# Altium PCB gateway.PcbDoc (part 1 of 4) (continued)
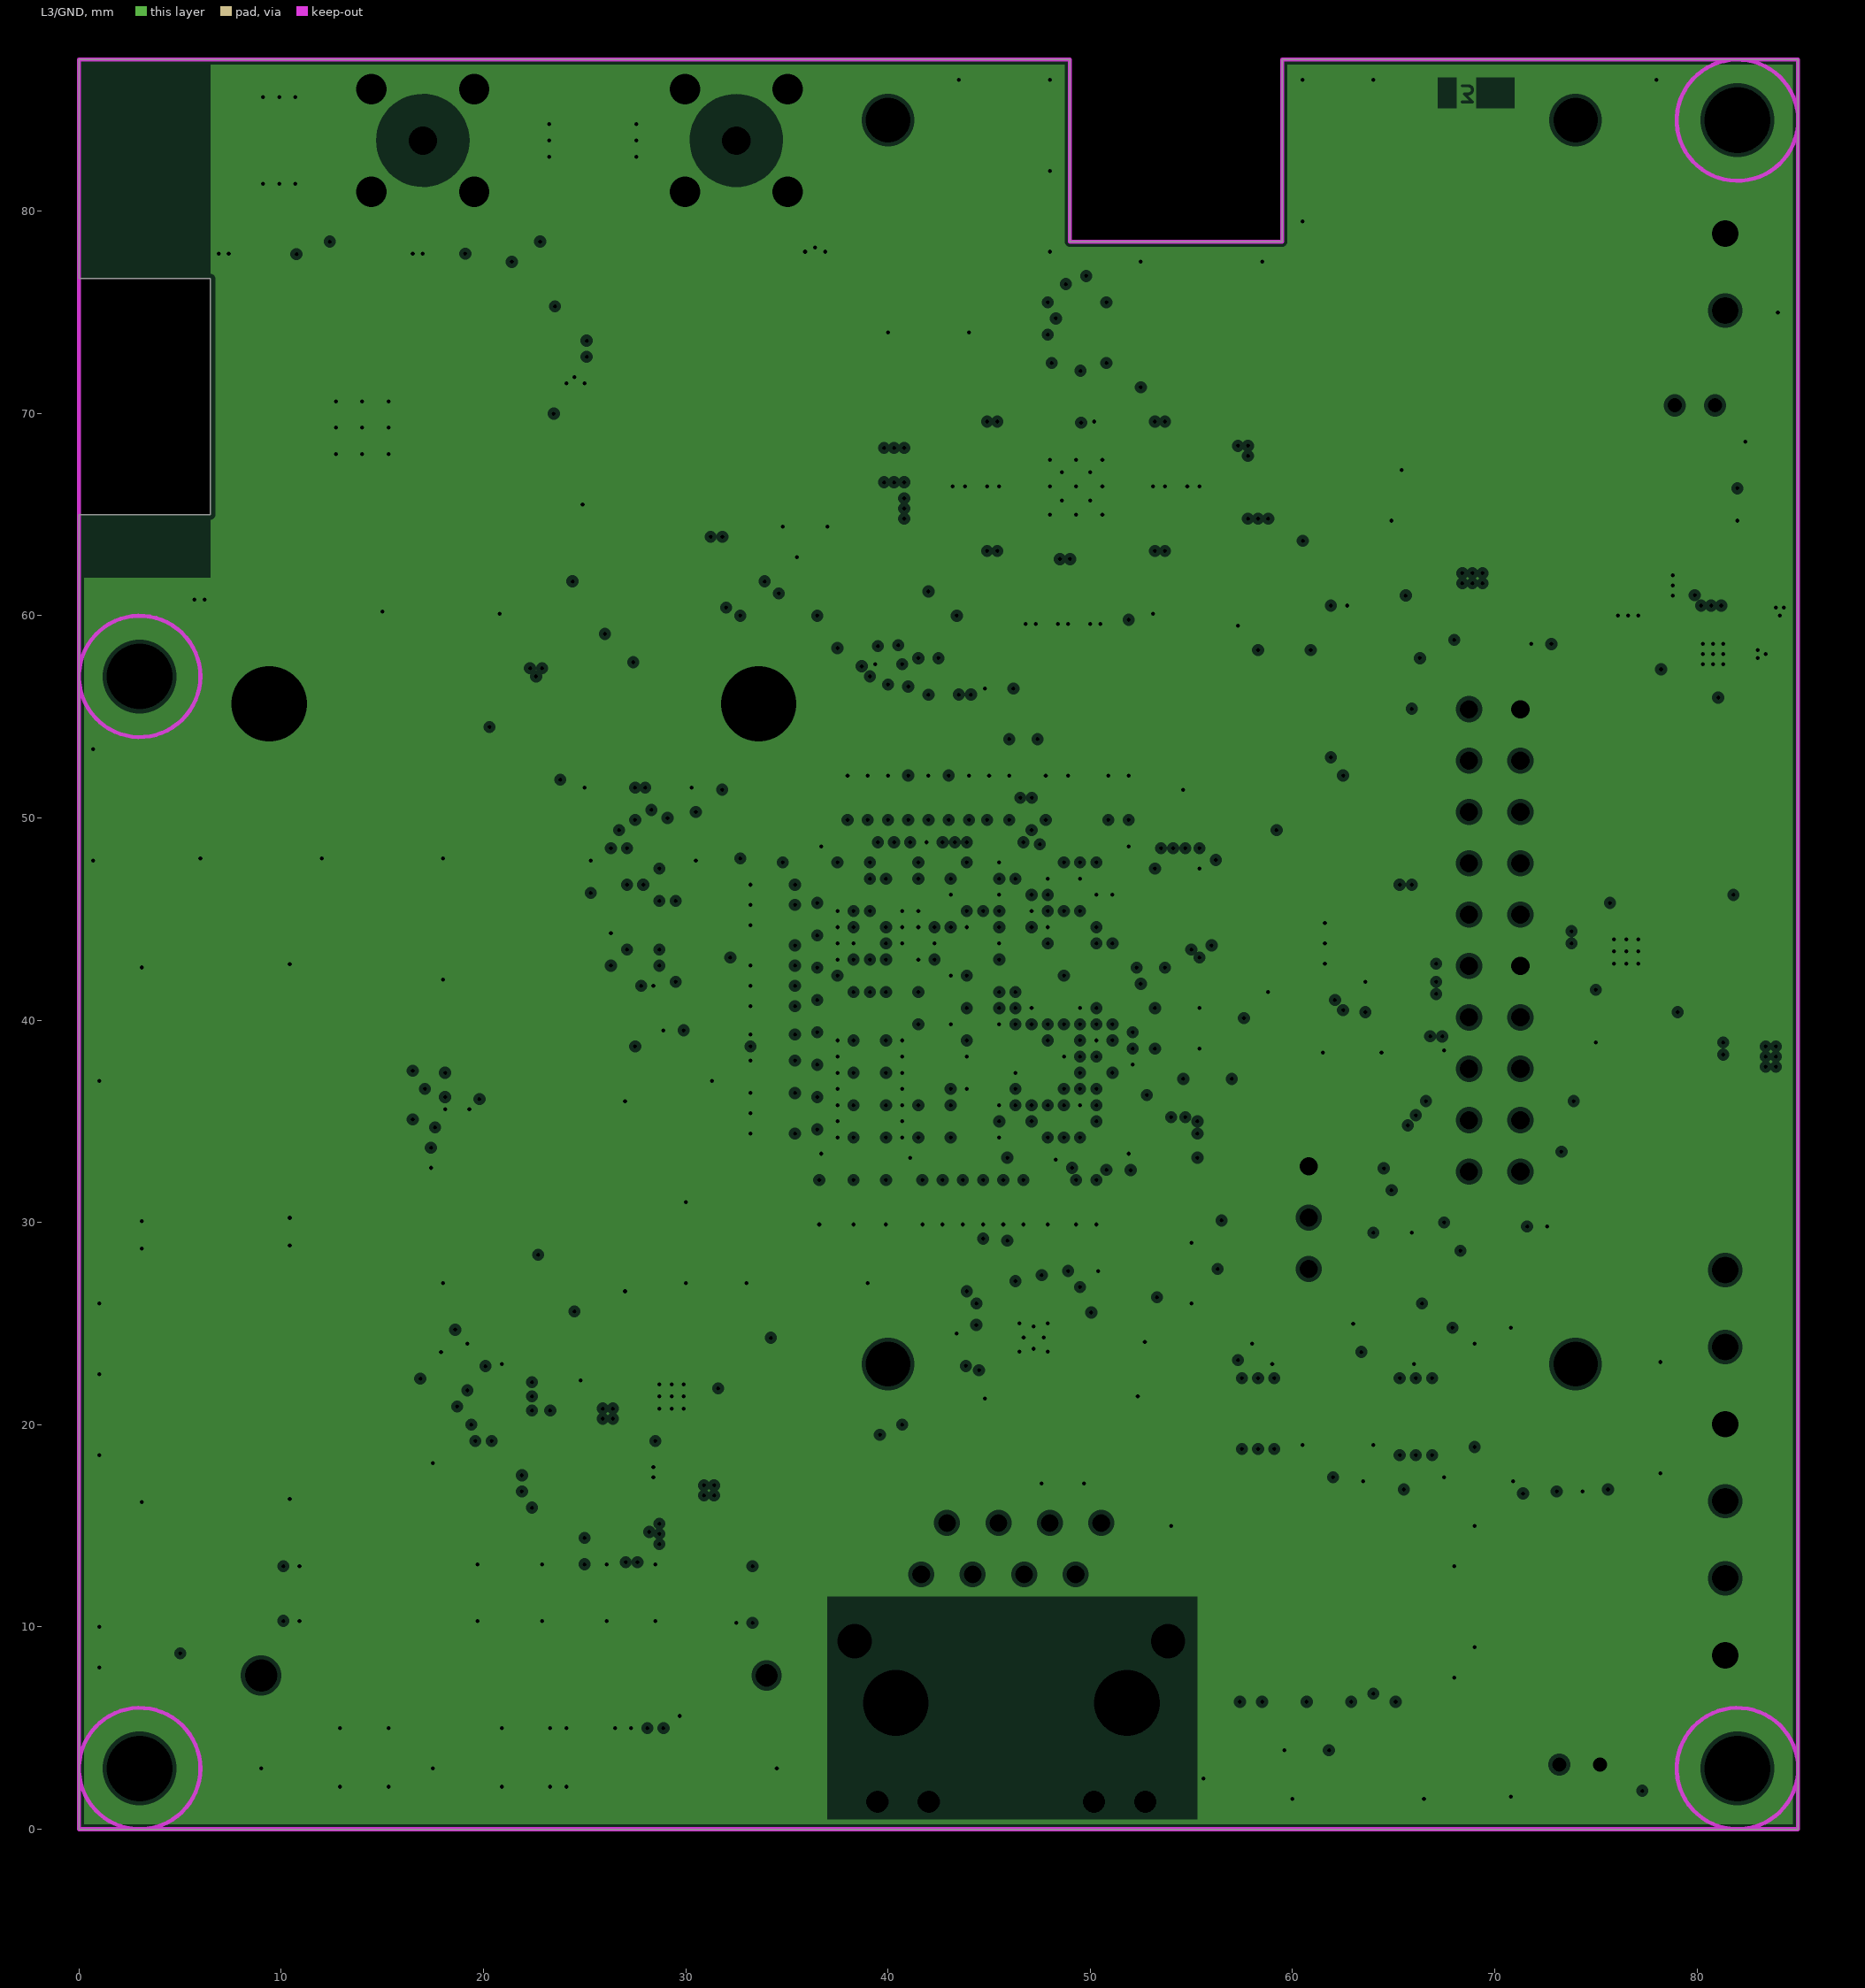
[diagram p3: L3/GND, clearances drawn from the general rule]

## Layer stack, top to bottom
Top Solder: solder mask 0.01, Solder Resist, Dk 3.5
L1: signal copper 0.036
2116: prepreg 0.12, FR-4, Dk 4.5
L2/PWR: signal copper 0.018
CORE: core 1.232, FR-4, Dk 4.2
L3/GND: plane copper 0.018, net GND
2116: prepreg 0.12, FR-4, Dk 4.5
L4: signal copper 0.036
Bottom Solder: solder mask 0.01, Solder Resist, Dk 3.5

## Board outline
0,0 0,65 6.5,65 6.5,76.666 0,76.666 0,87.5 49,87.5 49,78.5 59.5,78.5 59.5,87.5 85,87.5 85,0

## Design rules (kind name [scope] priority, off if disabled: settings)
AssemblyTestPointUsage [All] p1: valid=2
Clearance Clearance_RF [InPolygon vs NET like 'RF_*'] p1: gap=0.6 ignorepadtopadclearanceinfootprint=FALSE
Clearance Clearance_Flood_poly [All vs InNamedPolygon('FLOOD')] p2: gap=0.4 ignorepadtopadclearanceinfootprint=FALSE
Clearance Clearance_Generic_poly [InPolygon] p3: gap=0.1 ignorepadtopadclearanceinfootprint=FALSE
Clearance [All] p4: gap=0.1 ignorepadtopadclearanceinfootprint=FALSE
ComponentClearance ComponentClearance_WiFiResistors [InComponent('R18') vs InComponent('R21')] p1: gap=0 collisioncheckmode=3 verticalgap=0 showdistances=FALSE
ComponentClearance ComponentClearance_Terminal_block [InComponent('CN13') vs InComponent('CN12')] p2: gap=0 collisioncheckmode=3 verticalgap=0.254 showdistances=FALSE
ComponentClearance ComponentClearance_Expansion [InComponent('CN8') vs InComponent('CN9')] p3: gap=-0.1 collisioncheckmode=3 verticalgap=0.25 showdistances=FALSE
ComponentClearance ComponentClearance_General [All] p4: gap=0.25 collisioncheckmode=3 verticalgap=0.25 showdistances=TRUE
DiffPairsRouting DiffPairsRouting_90ohm [InDifferentialPair('USBA') or     InDifferentialPair('USBB')] p1: maxlimit=0.13 minlimit=0.125 mostfreqgap=0.125 toplayer_minwidth=0.125 toplayer_maxwidth=0.13 toplayer_prefwidth=0.125 midlayer4_minwidth=0.125 midlayer4_maxwidth=0.13 midlayer4_prefwidth=0.125 bottomlayer_minwidth=0.125 bottomlayer_maxwidth=0.13 bottomlayer_prefwidth=0.125 maxuncoupledlength=6
DiffPairsRouting DiffPairsRouting_100ohm [InDifferentialPair('ETH_RX0') or InDifferentialPair('ETH_TX0')] p2: maxlimit=0.2 minlimit=0.2 mostfreqgap=0.2 toplayer_minwidth=0.125 toplayer_maxwidth=0.125 toplayer_prefwidth=0.125 midlayer4_minwidth=0.125 midlayer4_maxwidth=0.125 midlayer4_prefwidth=0.125 bottomlayer_minwidth=0.125 bottomlayer_maxwidth=0.125 bottomlayer_prefwidth=0.125 maxuncoupledlength=6
FabricationTestPointUsage [All] p1: valid=2 allowmultiple=FALSE
FanoutControl Fanout_BGA [All] p1: bgadir=Out bgaviamode=Centered fanoutstyle=BGA fanoutdirection=Alternating viagrid=0.025 // Fanout_BGA (Default Rule)
HoleSize [All] p1: absolutevalues=TRUE maxlimit=4 minlimit=0.2 maxpercent=80.000 minpercent=20.000
HoleToHoleClearance [All] p1: gap=0.2 allowstackedmicrovias=FALSE
MinimumSolderMaskSliver [All] p1 off: minsoldermaskwidth=0.1
NetAntennae [not IsKeepOut and not ((Net = 'GND') And (Locked = 'True'))] p1: netantennaetolerance=0
PermittedLayers [All] p1: toplayerpermitted=TRUE bottomlayerpermitted=TRUE
PlaneClearance [All] p1: clearance=0.2
PlaneConnect [All] p1: pad.planeconnectstyle=Relief pad.reliefexpansion=0.5 pad.reliefentries=4 pad.reliefconductorwidth=0.25 pad.reliefairgap=0.25 via.planeconnectstyle=Direct via.reliefexpansion=0.508 via.reliefentries=4 via.reliefconductorwidth=0.254 via.reliefairgap=0.254
PolygonConnect PolygonConnect_RF [(ObjectKind = 'Poly') And (Name = '50_OHMS')] p1: connectstyle=Direct reliefconductorwidth=0.254 reliefentries=4 polygonreliefangle="90 Angle" airgapwidth=0.254
PolygonConnect [All] p2: thpad.connectstyle=Relief thpad.reliefconductorwidth=0.254 thpad.reliefentries=4 thpad.polygonreliefangle="90 Angle" thpad.airgapwidth=0.25 smdpad.connectstyle=Direct smdpad.reliefconductorwidth=0.254 smdpad.reliefentries=4 smdpad.polygonreliefangle="90 Angle" smdpad.airgapwidth=0.254 via.connectstyle=Direct via.reliefconductorwidth=0.254 via.reliefentries=4 via.polygonreliefangle="90 Angle" via.airgapwidth=0.254
RoomDefinition 06_MODEM [InComponentClass('06_MODEM')] p1 off: confinementstyle=ConfineIn formatcopy=TRUE lockcomponents=FALSE outline -25,-21.6 25.8,-21.6 25.8,-3.3 -25,-3.3
RoomDefinition 03_CPU_PIO [InComponentClass('03_CPU_PIO')] p2 off: confinementstyle=ConfineIn formatcopy=TRUE lockcomponents=FALSE outline -25,-21.6 25.8,-21.6 25.8,-3.1 -25,-3.1
RoomDefinition 02_CPU_SYSTEM [InComponentClass('02_CPU_SYSTEM')] p3 off: confinementstyle=ConfineIn formatcopy=TRUE lockcomponents=FALSE outline -25,-21.6 25.8,-21.6 25.8,-2.1 -25,-2.1
RoomDefinition 05_MISC [InComponentClass('05_MISC')] p4 off: confinementstyle=ConfineIn formatcopy=TRUE lockcomponents=FALSE outline -25,-21.6 23.5,-21.6 23.5,-3.5 -25,-3.5
RoomDefinition 04_ETHERNET [InComponentClass('04_ETHERNET')] p5 off: confinementstyle=ConfineIn formatcopy=TRUE lockcomponents=FALSE outline -25,-21.6 18,-21.6 18,-5 -25,-5
RoomDefinition 07_WiFi-BLE [InComponentClass('07_WiFi-BLE')] p6 off: confinementstyle=ConfineIn formatcopy=TRUE lockcomponents=FALSE outline -25,-21.6 18.5,-21.6 18.5,-6.5 -25,-6.5
RoomDefinition 01_PSU [InComponentClass('01_PSU')] p7 off: confinementstyle=ConfineIn formatcopy=TRUE lockcomponents=FALSE outline -25,-21.6 22,-21.6 22,-5 -25,-5
RoomDefinition 00_CONNECTORS [InComponentClass('00_CONNECTORS')] p8 off: confinementstyle=ConfineIn formatcopy=TRUE lockcomponents=FALSE outline -25,-21.6 22,-21.6 22,-4 -25,-4
RoutingVias [All] p1: holewidth=0.2 width=0.5 viastyle="Through Hole" minholewidth=0.2 minwidth=0.45 maxholewidth=0.2 maxwidth=0.5
SMDNeckDown [All] p1 off: percent=90.000
SilkToSilkClearance [All] p1 off: silktosilkclearance=0.15
SilkToSolderMaskClearance SilkscreenOverComponentPads [IsPad] p1: minsilkscreentomaskgap=0.1 clearancetoexposedcopper=TRUE
SolderMaskExpansion SolderMaskExpansion_Via [(IsVia)] p1: expansion=-100
SolderMaskExpansion [All] p2: expansion=0.1
ViasUnderSMD [All] p1: allowed=FALSE
Width Width_50Ohm [(InNetClass('50Ohm') OR InDifferentialPairClass('All Differential Pairs'))] p1 off: maxlimit=3.304 minlimit=0.101 preferedwidth=2.338 toplayer_minwidth=1.62 toplayer_prefwidth=2.488 midlayer4_minwidth=1.547 midlayer4_maxwidth=3.077 bottomlayer_maxwidth=0.248 bottomlayer_prefwidth=0.177 impedancedriven=TRUE minimp=40.000000 maximp=65.000000 favimp=50.000000
Width [All] p2: maxlimit=2 minlimit=0.125 preferedwidth=0.2
17 further rules are at their usual default settings.

## Classes and differential pairs
component class 07_WiFi-BLE: C2 C5 C7 CN4 CN5 FB1 Q1 R2 R3 R4 R5 R6 R9 R10 R11 R18 R21 U1 U8
net class USB: HSIC_DATA HSIC_STRB USBA_N USBA_P USBB_N USBB_P VBG
net class SERIAL: RS485_RX RS485_TE RS485_TX
net class SD: SD_CD SD_CDA SD_CLK SD_DATA0 SD_DATA1 SD_DATA2 SD_DATA3
net class NAND_D[0..7]: NAND_D0 NAND_D1 NAND_D2 NAND_D3 NAND_D4 NAND_D5 NAND_D6 NAND_D7
net class BUS_RMII: ETH_INTR ETH_MDC ETH_MDIO ETH_RX0 ETH_RX1 ETH_RXDV ETH_RXER ETH_TX0 ETH_TX1 ETH_TXCK ETH_TXEN
net class BUS_A5NAND: NAND_ALE NAND_CLE NAND_D0 NAND_D1 NAND_D2 NAND_D3 NAND_D4 NAND_D5 NAND_D6 NAND_D7 NAND_nCS NAND_OE NAND_RDY/nBSY NAND_WE
component class 03_CPU_PIO: C6 C10 C13 C14 CN7 R14 R22 R23 R31 R32 R41 R42 R43 R55 R56 U7 U10
component class 02_CPU_SYSTEM: C17 C18 C19 C20 C21 C22 C23 C24 C25 C26 C27 C28 C29 C30 C31 C32 C33 C36 C37 C38 C40 C41 C42 C44 C47 C48 C49 C51 C53 C58 C59 C61 C64 C65 C68 C70 C71 C72 C73 C74 C77 C103 C104 C105 C106 C107 C108 C109 C110 C111 C112 C113 C114 C115 C116 C117 C118 C119 C120 C121 C122 C123 C124 C125 C126 C127 C128 C129 C130 C131 C132 C133 C134 C135 C136 C137 C138 FB3 L4 R17 R19 R24 R26 R33 R34 Y2 Y3
component class 06_MODEM: C1 C3 C4 C8 C9 C11 C12 C15 C16 CN1 CN2 CN3 L1 LED1 Q3 Q8 R1 R7 R8 R13 R15 R16 R20 RN1 U2 U3 U4 U5 U6 U9
component class 04_ETHERNET: C39 C43 C50 C56 C57 C62 C63 CN6 FB2 R25 R27 R28 R30 R36 R37 U11 Y1
component class 01_PSU: C34 C35 C45 C46 C52 C54 C55 C60 C66 C67 C69 C75 C76 C81 C83 C85 C87 C88 C89 C90 C91 C92 C93 C94 C95 C96 C97 C98 C99 C100 C101 C102 CN10 D1 D2 D3 F1 FB4 L2 L3 L5 L6 L7 L8 L9 Q4 Q5 Q6 R29 R35 R38 R39 R49 R50 R57 R60 R61 R66 R67 SW1 U12 U15 U17 U18
component class 00_CONNECTORS: CN8 CN9 CN11 CN12 CN13
net class BUS_ETH: ETH_RX0 ETH_RX1 ETH_RXDV ETH_RXER ETH_TX0 ETH_TX1 ETH_TXEN NetR28_1
net class SD_DATA[0..3]: SD_DATA0 SD_DATA1 SD_DATA2 SD_DATA3
net class ADC: MEAS_5V MEAS_VIN MEAS_VSYS
component class 05_MISC: C78 C79 C80 C82 C84 C86 LED2 LED3 LED4 Q2 Q7 R12 R44 R45 R46 R47 R48 R51 R52 R53 R54 R58 R59 R62 R63 R64 R65 R68 R69 RN2 RN3 RN4 RN5 U13 U14 U16
net class NCP: NCP_CTS NCP_GPIO0 NCP_GPIO1 NCP_nRST NCP_RTS NCP_RX NCP_TX
net class EXP: BT_CTS BT_RTS BT_RX BT_TX
net class TDM: TDM_CLK TDM_DATA TDM_FS
differential pair CAN: +CAN_P -CAN_N
differential pair USBA: +USBA_P -USBA_N
differential pair ETH_TX0: +ETH_TX0_P -ETH_TX0_N
differential pair ETH_RX0: +ETH_RX0_P -ETH_RX0_N
differential pair USBB: +USBB_P -USBB_N

## Components (designator, comment, footprint, x,y, rotation, side; value= is the part's Value field where it differs from the comment)
C1 "10uF 20% 10V X5R" CAPC2012X140N 10.5,14 r0 top value=10uF
C2 "10nF 5% 50V C0G" CAPC1005N 13.8,60.2 r0 top value=10nF
C3 "0.1uF 20% 25V X5R" CAPC1005N 16.6,18.2 r270 top value=0.1uF
C4 "0.1uF 20% 25V X5R" CAPC1005N 16.8,33.2 r270 top value=0.1uF
C5 "0.1uF 20% 25V X5R" CAPC1005N 19.7,60.1 r180 top value=0.1uF
C6 "0.1uF 20% 25V X5R" CAPC1005N 22.5,47.2 r90 top value=0.1uF
C7 "10uF 20% 10V X5R" CAPC2012X140N 24.5,69.7 r90 top value=10uF
C8 "10nF 5% 50V C0G" CAPC1005N 25.9,22.2 r0 top value=10nF
C9 "10uF 20% 10V X5R" CAPC2012X140N 25.9,18.5 r270 top value=10uF
C10 "0.1uF 20% 25V X5R" CAPC1005N 26.2,51.5 r180 top value=0.1uF
C11 "10uF 20% 10V X5R" CAPC2012X140N 27.6,1.3 r180 top value=10uF
C12 "10nF 5% 50V C0G" CAPC1005N 28.8,24.3 r180 top value=10nF
C13 "0.1uF 20% 25V X5R" CAPC1005N 29.2,51.5 r0 top value=0.1uF
C14 "0.1uF 20% 25V X5R" CAPC1005N 29.4,38.7 r180 top value=0.1uF
C15 "22uF 20% 6.3V X5R" CAPC2012X140N 30.2,18 r180 top value=22uF
C16 "10uF 20% 10V X5R" CAPC2012X140N 32.9,14 r180 top value=10uF
C17 "0.1uF 20% 25V X5R" CAPC1005N 34.3,46.7 r180 top value=0.1uF
C18 "0.1uF 20% 25V X5R" CAPC1005N 34.3,45.7 r180 top value=0.1uF
C19 "0.1uF 20% 25V X5R" CAPC1005N 34.3,44.7 r0 top value=0.1uF
C20 "0.1uF 20% 25V X5R" CAPC1005N 34.3,42.7 r180 top value=0.1uF
C21 "0.1uF 20% 25V X5R" CAPC1005N 34.3,41.7 r0 top value=0.1uF
C22 "0.1uF 20% 25V X5R" CAPC1005N 34.3,40.7 r180 top value=0.1uF
C23 "0.1uF 20% 25V X5R" CAPC1005N 34.3,39.3 r180 top value=0.1uF
C24 "0.1uF 20% 25V X5R" CAPC1005N 34.3,38 r180 top value=0.1uF
C25 "0.1uF 20% 25V X5R" CAPC1005N 34.3,36.4 r180 top value=0.1uF
C26 "0.1uF 20% 25V X5R" CAPC1005N 34.3,34.4 r180 top value=0.1uF
C27 "0.1uF 20% 25V X5R" CAPC1005N 34.3,43.7 r180 top value=0.1uF
C28 "0.1uF 20% 25V X5R" CAPC1005N 36.6,31 r270 top value=0.1uF
C29 "0.1uF 20% 25V X5R" CAPC1005N 38,51 r270 top value=0.1uF
C30 "0.1uF 20% 25V X5R" CAPC1005N 38.3,31 r270 top value=0.1uF
C31 "0.1uF 20% 25V X5R" CAPC1005N 39,51 r90 top value=0.1uF
C32 "0.1uF 20% 25V X5R" CAPC1005N 39.9,31 r270 top value=0.1uF
C33 "0.1uF 20% 25V X5R" CAPC1005N 40,51 r270 top value=0.1uF
C34 "22uF 20% 6.3V X5R" CAPC2012X140N 42.6,67.4 r180 top value=22uF
C35 "22uF 20% 6.3V X5R" CAPC2012X140N 42.6,65.4 r180 top value=22uF
C36 "0.1uF 20% 25V X5R" CAPC1005N 41.7,31 r90 top value=0.1uF
C37 "1uF 20% 6.3V X5R" CAPC1005N 42,51 r90 top value=1uF
C38 "0.1uF 20% 25V X5R" CAPC1005N 42.7,31 r90 top value=0.1uF
C39 "2.2uF 20% 6.3V X5R" CAPC1608X90N 43.4,22.905 r270 top value=2.2uF
C40 "0.1uF 20% 25V X5R" CAPC1005N 43.7,31 r270 top value=0.1uF
C41 "4.7uF 20% 6.3V X5R" CAPC1608X90N 45,53.1 r180 top value=4.7uF
C42 "1uF 20% 6.3V X5R" CAPC1005N 44,51 r90 top value=1uF
C43 "2.2uF 20% 6.3V X5R" CAPC1608X90N 45.6,20.5 r0 top value=2.2uF
C44 "0.1uF 20% 25V X5R" CAPC1005N 44.7,31 r270 top value=0.1uF
C45 "4.7uF 20% 6.3V X5R" CAPC1608X90N 45.2,68 r270 top value=4.7uF
C46 "4.7uF 20% 6.3V X5R" CAPC1608X90N 45.2,64.8 r90 top value=4.7uF
C47 "0.1uF 20% 25V X5R" CAPC1005N 45,51 r270 top value=0.1uF
C48 "0.1uF 20% 25V X5R" CAPC1005N 45.7,31 r90 top value=0.1uF
C49 "0.1uF 20% 25V X5R" CAPC1005N 46,51 r270 top value=0.1uF
C50 "0.1uF 20% 25V X5R" CAPC1005N 47.1,17.7 r180 top value=0.1uF
C51 "0.1uF 20% 25V X5R" CAPC1005N 46.7,31 r90 top value=0.1uF
C52 "4.7uF 20% 6.3V X5R" CAPC1608X90N 47.1,61.2 r270 top value=4.7uF
C53 "0.1uF 20% 25V X5R" CAPC1005N 47.8,51 r90 top value=0.1uF
C54 "4.7uF 20% 6.3V X5R" CAPC1608X90N 48.7,61.2 r270 top value=4.7uF
C55 "4.7uF 20% 6.3V X5R" CAPC1608X90N 49.6,71 r0 top value=4.7uF
C56 "2.2uF 20% 6.3V X5R" CAPC1608X90N 49.7,28.4 r180 top value=2.2uF
C57 "0.1uF 20% 25V X5R" CAPC1005N 49.2,17.7 r180 top value=0.1uF
C58 "10pF 5% 50V C0G" CAPC1005N 48.9,51 r270 top value=10pF
C59 "0.1uF 20% 25V X5R" CAPC1005N 49.3,31 r90 top value=0.1uF
C60 "4.7uF 20% 6.3V X5R" CAPC1608X90N 50.3,61.2 r270 top value=4.7uF
C61 "0.1uF 20% 25V X5R" CAPC1005N 50.3,31 r90 top value=0.1uF
C62 "27pF 5% 50V C0G" CAPC1005N 51.35,21.9 r180 top value=27pF
C63 "27pF 5% 50V C0G" CAPC1005N 51.35,20.9 r180 top value=27pF
C64 "0.1uF 20% 25V X5R" CAPC1005N 50.9,51 r270 top value=0.1uF
C65 "0.1uF 20% 25V X5R" CAPC1005N 51.9,51 r90 top value=0.1uF
C66 "4.7uF 20% 6.3V X5R" CAPC1608X90N 53.4,68 r270 top value=4.7uF
C67 "4.7uF 20% 6.3V X5R" CAPC1608X90N 53.4,64.8 r90 top value=4.7uF
C68 "18pF 5% 50V C0G" CAPC1005N 53.6,50.7 r180 top value=18pF
C69 "1uF 20% 6.3V X5R" CAPC1005N 52.6,61.1 r270 top value=1uF
C70 "18pF 5% 50V C0G" CAPC1005N 54.3,45.2 r0 top value=18pF
C71 "0.1uF 20% 25V X5R" CAPC1005N 54.3,47.5 r180 top value=0.1uF
C72 "18pF 5% 50V C0G" CAPC1005N 54.3,46.2 r0 top value=18pF
C73 "0.1uF 20% 25V X5R" CAPC1005N 54.3,40.6 r180 top value=0.1uF
C74 "0.1uF 20% 25V X5R" CAPC1005N 54.3,38.6 r180 top value=0.1uF
C75 "22uF 20% 6.3V X5R" CAPC2012X140N 56,67.4 r0 top value=22uF
C76 "22uF 20% 6.3V X5R" CAPC2012X140N 56,65.4 r0 top value=22uF
C77 "18pF 5% 50V C0G" CAPC1005N 55.6,50.7 r0 top value=18pF
C78 "0.1uF 20% 25V X5R" CAPC1005N 60.1,44.8 r180 top value=0.1uF
C79 "0.1uF 20% 25V X5R" CAPC1005N 60.1,43.8 r180 top value=0.1uF
C80 "0.1uF 20% 25V X5R" CAPC1005N 60.1,42.8 r180 top value=0.1uF
C81 "1uF 20% 6.3V X5R" CAPC1005N 62.2,67 r270 top value=1uF
C82 "0.1uF 20% 25V X5R" CAPC1005N 66.3,17.4 r0 top value=0.1uF
C83 "0.1uF 20% 50V X7R" CAPC1608X90N 69.9,80.3 r0 top value=0.1uF
C84 "0.1uF 20% 25V X5R" CAPC1005N 72.1,29.2 r0 top value=0.1uF
C85 "TBD TBD TBD TBD" CAPC1005N 71.8,60.7 r90 top value=TBD
C86 "1uF 20% 6.3V X5R" CAPC1005N 73.7,17.7 r0 top value=1uF
C87 "22uF 20% 6.3V X5R" CAPC2012X140N 75.6,48 r180 top value=22uF
C88 "22uF 20% 6.3V X5R" CAPC2012X140N 75.2,57.4 r90 top value=22uF
C89 "1uF 20% 6.3V X5R" CAPC1005N 75.7,39.4 r90 top value=1uF
C90 "1uF 20% 6.3V X5R" CAPC1005N 77,46.5 r180 top value=1uF
C91 "47uF 20% 35V Electrolytic Aluminium" CAPPR2-5x12 79.9,70.4 r0 top value=47uF
C92 "22uF 20% 6.3V X5R" CAPC2012X140N 77.2,57.4 r90 top value=22uF
C93 "1uF 20% 6.3V X5R" CAPC1005N 76.7,39.4 r90 top value=1uF
C94 "10uF 20% 50V X5R" CAPC3216X180N 79.4,61.8 r180 top value=10uF
C95 "10uF 20% 10V X5R" CAPC2012X140N 78.2,38.6 r90 top value=10uF
C96 "0.1uF 20% 50V X7R" CAPC1608X90N 77.6,63.8 r180 top value=0.1uF
C97 "0.1uF 20% 25V X5R" CAPC1005N 79.7,41.4 r270 top value=0.1uF
C98 "10uF 20% 10V X5R" CAPC2012X140N 80.2,38.6 r90 top value=10uF
C99 "4.7uF 20% 6.3V X5R" CAPC1608X90N 80.2,44.2 r270 top value=4.7uF
C100 "22nF 5% 25V C0G" CAPC1005N 81.1,55.4 r180 top value=22nF
C101 "10nF 5% 50V C0G" CAPC1005N 82.3,45.6 r180 top value=10nF
C102 "0.1uF 20% 50V X7R" CAPC1608X90N 83.3,61.4 r0 top value=0.1uF
C103 "0.1uF 20% 6.3V X5R" CAPC0603N 40,35 r0 bottom value=0.1uF
C104 "0.1uF 20% 6.3V X5R" CAPC0603N 43.5,37.5 r90 bottom value=0.1uF
C105 "0.1uF 20% 6.3V X5R" CAPC0603N 40.7,43 r0 bottom value=0.1uF
C106 "0.1uF 20% 6.3V X5R" CAPC0603N 38.2,38.2 r180 bottom value=0.1uF
C107 "0.1uF 20% 6.3V X5R" CAPC0603N 38.2,35 r180 bottom value=0.1uF
C108 "0.1uF 20% 6.3V X5R" CAPC0603N 40,38.2 r0 bottom value=0.1uF
C109 "0.1uF 20% 6.3V X5R" CAPC0603N 44.7,39.4 r0 bottom value=0.1uF
C110 "0.1uF 20% 6.3V X5R" CAPC0603N 41.4,35 r180 bottom value=0.1uF
C111 "0.1uF 20% 6.3V X5R" CAPC0603N 42.4,40.3 r0 bottom value=0.1uF
C112 "0.1uF 20% 6.3V X5R" CAPC0603N 45.9,43.4 r90 bottom value=0.1uF
C113 "0.1uF 20% 6.3V X5R" CAPC0603N 29,41.5 r180 bottom value=0.1uF
C114 "0.1uF 20% 6.3V X5R" CAPC0603N 45.1,46 r90 bottom value=0.1uF
C115 "0.1uF 20% 6.3V X5R" CAPC0603N 43.2,45.6 r180 bottom value=0.1uF
C116 "0.1uF 20% 6.3V X5R" CAPC0603N 44.7,44.6 r180 bottom value=0.1uF
C117 "0.1uF 20% 6.3V X5R" CAPC0603N 48.8,47.3 r0 bottom value=0.1uF
C118 "0.1uF 20% 6.3V X5R" CAPC0603N 42,42.5 r180 bottom value=0.1uF
C119 "0.1uF 20% 6.3V X5R" CAPC0603N 47,41 r0 bottom value=0.1uF
C120 "0.1uF 20% 6.3V X5R" CAPC0603N 45.9,34.6 r270 bottom value=0.1uF
C121 "0.1uF 20% 6.3V X5R" CAPC0603N 49.6,35.3 r180 bottom value=0.1uF
C122 "0.1uF 20% 6.3V X5R" CAPC0603N 49.9,41 r180 bottom value=0.1uF
C123 "0.1uF 20% 6.3V X5R" CAPC0603N 47.1,47 r0 bottom value=0.1uF
C124 "0.1uF 20% 6.3V X5R" CAPC0603N 45.4,33.5 r90 bottom value=0.1uF
C125 "0.1uF 20% 6.3V X5R" CAPC0603N 48.5,35.3 r0 bottom value=0.1uF
C126 "0.1uF 20% 6.3V X5R" CAPC0603N 48.3,38.6 r0 bottom value=0.1uF
C127 "0.1uF 20% 6.3V X5R" CAPC0603N 51.1,38 r0 bottom value=0.1uF
C128 "0.1uF 20% 6.3V X5R" CAPC0603N 36.9,48.1 r180 bottom value=0.1uF
C129 "0.1uF 20% 6.3V X5R" CAPC0603N 60.8,3.9 r180 bottom value=0.1uF
C130 "0.1uF 20% 6.3V X5R" CAPC0603N 42,48.1 r90 bottom value=0.1uF
C131 "0.1uF 20% 6.3V X5R" CAPC0603N 48.3,46.6 r90 bottom value=0.1uF
C132 "0.1uF 20% 6.3V X5R" CAPC0603N 38.2,36.6 r180 bottom value=0.1uF
C133 "0.1uF 20% 6.3V X5R" CAPC0603N 40,36.6 r0 bottom value=0.1uF
C134 "0.1uF 20% 6.3V X5R" CAPC0603N 40.4,45 r0 bottom value=0.1uF
C135 "0.1uF 20% 6.3V X5R" CAPC0603N 43.9,41.4 r90 bottom value=0.1uF
C136 "0.1uF 20% 6.3V X5R" CAPC0603N 45.5,56.4 r180 bottom value=0.1uF
C137 "0.1uF 20% 6.3V X5R" CAPC0603N 40,57.6 r180 bottom value=0.1uF
C138 "0.1uF 20% 6.3V X5R" CAPC0603N 46.6,45.5 r270 bottom value=0.1uF
CN1 "2041262-1" 2041262-1 21.5,7.6 r0 top locked
CN2 "CONUFL001-SMD-T" U.FL-R-SMT-1 9.9,83.5 r90 top
CN3 "SMARA CONNECTOR" 0733910320 17,83.5 r270 top locked
CN4 "CONUFL001-SMD-T" U.FL-R-SMT-1 25.4,83.5 r0 top
CN5 "PCB.RPSMAFRA.HT" 0733910320 32.5,83.5 r270 top
CN6 "HR911105A" HR911105A 46.1,6.25 r180 top locked
CN7 "Header, Male pins, 1x3, 0.1\", Vertical" HDR1X3 60.8,32.78 r270 top
CN8 "Header, Male pins, 2x5, 0.1\", Vertical" "HDR2x5-0.1\"" 70,50.3 r270 top locked
CN9 "Header, Male pins, 2x5, 0.1\", Vertical" "HDR2x5-0.1\"" 70,37.6 r270 top locked
CN10 "B2B-PH-K-S(LF)(SN)" B2B-PH-K-S(LF)(SN) 74.2,3.2 r0 top
CN11 "EK381-02P" EK381-02P 81.4,75.09 r90 top
CN12 "EK381-03P" EK381-03P 81.4,20.03 r90 top locked
CN13 "EK381-03P" EK381-03P 81.4,8.6 r90 top locked
D1 "STPS360AF" SODFL4725X105N 66.6,77.3 r90 top
D2 "STPS360AF" SODFL4725X105N 69.1,60.9 r270 top
D3 "SMAJ36CA" DIOM5226X203N 72.9,77.7 r180 top
F1 "C1S 3" RESC3216N 74.8,74.6 r180 top value=3A